# KiCad board main.kicad_pcb (continued)
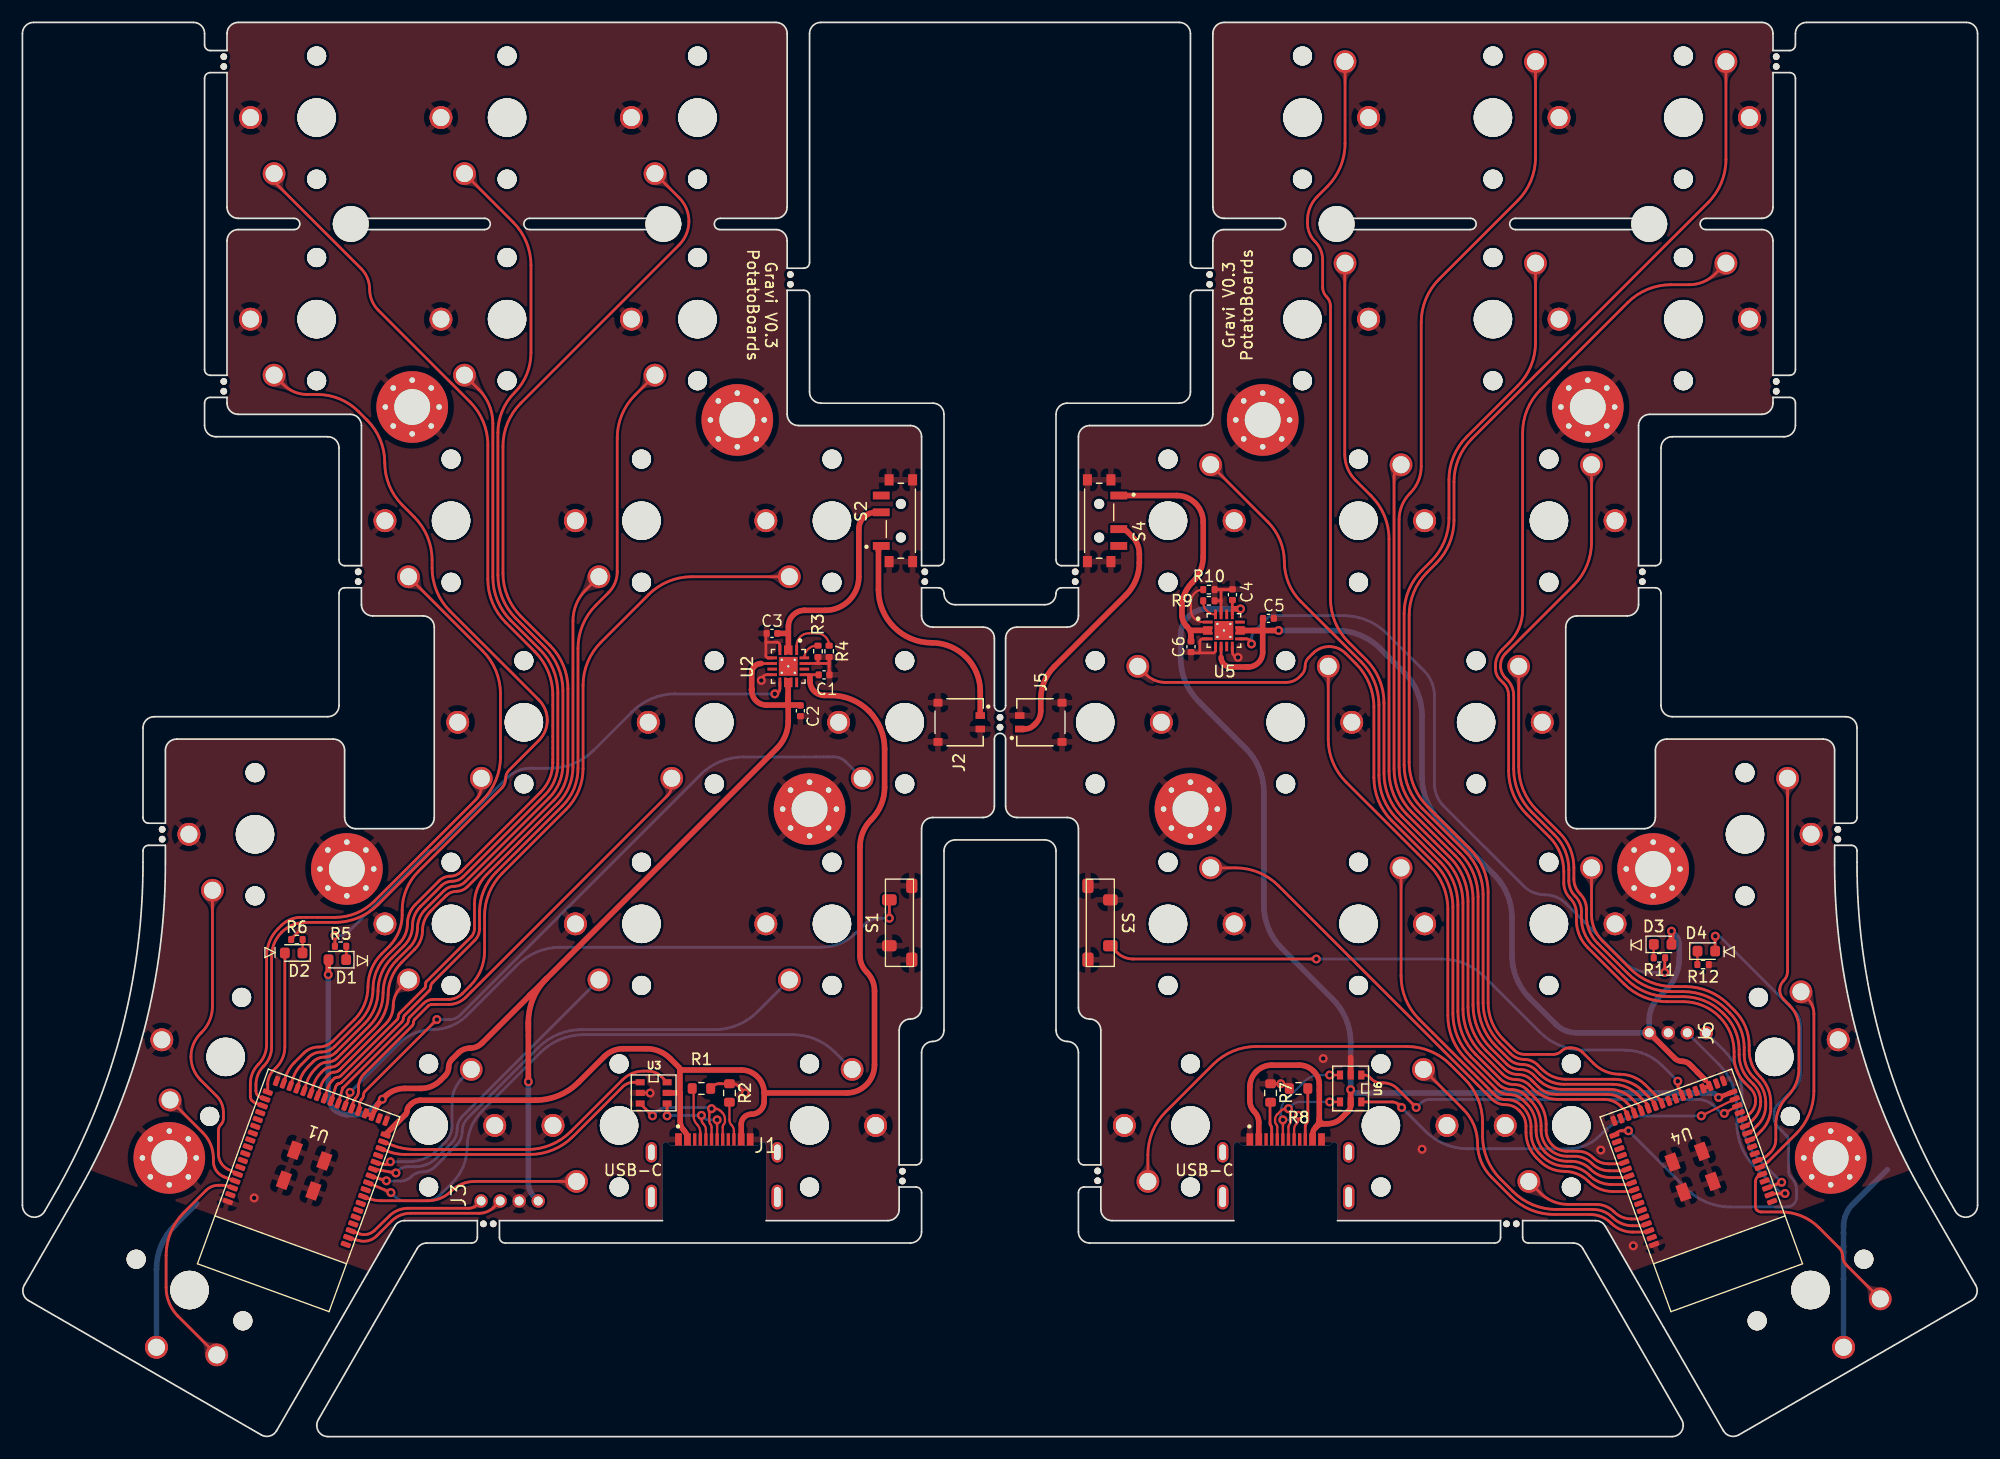
[diagram p0: board, top side]
## Copper pours and planes (outline as drawn; the poured copper is in the pictures) (continued)
VDDH on Top: 146.23,35.4 146.14,35.5 146.06,35.58 146.01,35.66 145.96,35.74 145.93,35.81 145.9,35.89 145.87,35.97 145.81,36.15 145.78,36.26 145,36.27 145.02,35.5 145.12,35.46 145.3,35.4 145.38,35.38 145.46,35.35 145.53,35.31 145.61,35.27 145.69,35.21 145.78,35.14 145.88,35.04
VDDH on Bottom: 144.96,37.25 144.96,37.12 144.95,37 144.93,36.91 144.91,36.82 144.88,36.74 144.85,36.67 144.81,36.59 144.72,36.43 144.67,36.32 145.21,35.76 145.75,36.32 145.7,36.43 145.61,36.59 145.57,36.67 145.54,36.74 145.51,36.82 145.49,36.91 145.48,37 145.47,37.12 145.46,37.25
VDDH on Bottom: 144.02,35.81 144.16,35.81 144.27,35.8 144.37,35.78 144.45,35.76 144.53,35.73 144.61,35.7 144.68,35.66 144.85,35.57 144.95,35.52 145.51,36.06 144.95,36.6 144.85,36.55 144.68,36.46 144.61,36.42 144.53,36.39 144.45,36.36 144.37,36.34 144.27,36.33 144.16,36.32 144.02,36.31
VDDH on Bottom: 45.07,21.89 45.13,21.75 45.3,21.35 45.33,21.27 45.37,21.18 45.4,21.09 45.43,20.98 45.47,20.86 46.25,20.82 46.26,21.6 46.16,21.64 46.07,21.66 45.99,21.69 45.91,21.71 45.83,21.74 45.77,21.77 45.7,21.82 45.64,21.89 45.59,21.97 45.53,22.08
K1 on Top: 118.19,120.76 118.2,121 118.24,121.2 118.29,121.36 118.37,121.5 118.45,121.62 118.55,121.74 118.66,121.86 118.76,121.99 118.87,122.15 118.98,122.34 118.06,123.3 117.15,122.34 117.25,122.15 117.36,121.99 117.47,121.86 117.57,121.74 117.67,121.62 117.76,121.5 117.83,121.36 117.89,121.2 117.92,121 117.94,120.76
K1 on Top: 57.98,111.44 57.82,111.62 57.71,111.79 57.64,111.94 57.59,112.09 57.56,112.24 57.55,112.39 57.54,112.55 57.52,112.72 57.48,112.91 57.42,113.12 56.1,113.15 56.13,111.83 56.34,111.77 56.53,111.73 56.7,111.71 56.86,111.7 57.01,111.69 57.16,111.66 57.31,111.61 57.46,111.54 57.63,111.43 57.81,111.27
K2 on Top: 55.12,93.27 55.3,93.43 55.46,93.54 55.62,93.61 55.77,93.66 55.91,93.69 56.07,93.7 56.23,93.71 56.4,93.73 56.59,93.77 56.8,93.83 56.82,95.15 55.5,95.12 55.44,94.91 55.41,94.72 55.39,94.55 55.37,94.39 55.36,94.24 55.34,94.09 55.29,93.94 55.22,93.79 55.1,93.62 54.94,93.44
K2 on Top: 118.16,102.75 118.17,102.99 118.21,103.18 118.27,103.35 118.34,103.48 118.43,103.61 118.53,103.72 118.63,103.84 118.74,103.98 118.86,104.13 118.97,104.32 118.08,105.3 117.14,104.37 117.24,104.17 117.34,104.01 117.45,103.87 117.55,103.74 117.65,103.62 117.73,103.5 117.81,103.36 117.86,103.19 117.9,102.99 117.91,102.75
K3 on Top: 66.44,76.66 66.68,76.65 66.87,76.61 67.04,76.56 67.17,76.48 67.3,76.4 67.41,76.3 67.53,76.19 67.67,76.09 67.83,75.98 68.02,75.87 68.97,76.79 68.02,77.7 67.83,77.6 67.67,77.49 67.53,77.38 67.41,77.28 67.3,77.18 67.17,77.09 67.04,77.02 66.87,76.96 66.68,76.93 66.44,76.91
K3 on Top: 107.58,85.44 107.42,85.62 107.31,85.79 107.24,85.94 107.19,86.09 107.16,86.24 107.15,86.39 107.14,86.55 107.12,86.72 107.08,86.91 107.02,87.12 105.7,87.15 105.73,85.83 105.94,85.77 106.13,85.73 106.3,85.71 106.46,85.7 106.61,85.69 106.76,85.66 106.91,85.61 107.06,85.54 107.23,85.43 107.41,85.27
K4 on Top: 101,67.47 100.79,67.5 100.65,67.58 100.57,67.69 100.54,67.85 100.53,68.03 100.55,68.23 100.57,68.45 100.59,68.67 100.57,68.9 100.52,69.12 99.2,69.15 99.56,67.77 99.75,67.76 99.9,67.71 100.03,67.65 100.14,67.58 100.25,67.5 100.36,67.42 100.48,67.34 100.62,67.28 100.79,67.24 101,67.22
K4 on Bottom: 73.44,60.13 73.6,59.95 73.72,59.79 73.79,59.63 73.84,59.48 73.86,59.34 73.87,59.18 73.89,59.02 73.91,58.85 73.94,58.66 74,58.45 75.32,58.43 75.3,59.75 75.09,59.81 74.9,59.84 74.73,59.86 74.57,59.88 74.41,59.89 74.27,59.91 74.12,59.96 73.96,60.03 73.8,60.15 73.62,60.31
K5 on Top: 108.09,50.91 107.85,50.93 107.65,50.96 107.49,51.02 107.35,51.09 107.23,51.18 107.11,51.28 106.99,51.38 106.86,51.49 106.7,51.6 106.51,51.7 105.55,50.79 106.51,49.87 106.7,49.98 106.86,50.09 106.99,50.19 107.11,50.3 107.23,50.4 107.35,50.48 107.49,50.56 107.65,50.61 107.85,50.65 108.09,50.66
K5 on Bottom: 67.12,39.27 67.3,39.43 67.46,39.54 67.62,39.61 67.77,39.66 67.91,39.69 68.07,39.7 68.23,39.71 68.4,39.73 68.59,39.77 68.8,39.83 68.82,41.15 67.5,41.12 67.44,40.91 67.41,40.72 67.39,40.55 67.37,40.39 67.36,40.24 67.34,40.09 67.29,39.94 67.22,39.79 67.1,39.62 66.94,39.44
K6 on Top: 100.34,24.81 100.32,24.57 100.29,24.38 100.23,24.21 100.16,24.08 100.07,23.95 99.97,23.84 99.87,23.72 99.76,23.58 99.65,23.42 99.55,23.23 100.46,22.28 101.38,23.23 101.27,23.42 101.16,23.58 101.06,23.72 100.95,23.84 100.85,23.95 100.77,24.08 100.69,24.21 100.64,24.38 100.6,24.57 100.59,24.81
K6 on Bottom: 72.54,34.13 72.7,33.95 72.82,33.79 72.89,33.63 72.94,33.48 72.96,33.34 72.97,33.18 72.99,33.02 73.01,32.85 73.04,32.66 73.1,32.45 74.42,32.43 74.4,33.75 74.19,33.81 74,33.84 73.83,33.86 73.67,33.88 73.51,33.89 73.37,33.91 73.22,33.96 73.06,34.03 72.9,34.15 72.72,34.31
K7 on Top: 40.98,111.44 40.82,111.62 40.71,111.79 40.64,111.94 40.59,112.09 40.56,112.24 40.55,112.39 40.54,112.55 40.52,112.72 40.48,112.91 40.42,113.12 39.1,113.15 39.13,111.83 39.34,111.77 39.53,111.73 39.7,111.71 39.86,111.7 40.01,111.69 40.16,111.66 40.31,111.61 40.46,111.54 40.63,111.43 40.81,111.27
K7 on Top: 135.19,120.76 135.2,121 135.24,121.2 135.29,121.36 135.37,121.5 135.45,121.62 135.55,121.74 135.66,121.86 135.76,121.99 135.87,122.15 135.98,122.34 135.06,123.3 134.15,122.34 134.25,122.15 134.36,121.99 134.47,121.86 134.57,121.74 134.67,121.62 134.76,121.5 134.83,121.36 134.89,121.2 134.92,121 134.94,120.76
K8 on Top: 41.46,92.79 41.28,93.09 41.13,93.35 41.01,93.57 40.92,93.77 40.83,93.96 40.76,94.15 40.68,94.35 40.61,94.57 40.52,94.83 40.42,95.12 39.1,95.15 39.13,93.83 39.42,93.74 39.68,93.67 39.91,93.62 40.13,93.56 40.33,93.5 40.52,93.42 40.7,93.3 40.88,93.14 41.06,92.93 41.25,92.66
K8 on Top: 135.19,102.76 135.2,103 135.24,103.2 135.29,103.36 135.37,103.5 135.45,103.62 135.55,103.74 135.66,103.86 135.76,103.99 135.87,104.15 135.98,104.34 135.06,105.3 134.15,104.34 134.25,104.15 134.36,103.99 134.47,103.86 134.57,103.74 134.67,103.62 134.76,103.5 134.83,103.36 134.89,103.2 134.92,103 134.94,102.76
K9 on Top: 122.56,84.93 122.58,85.13 122.62,85.29 122.69,85.41 122.79,85.5 122.9,85.58 123.03,85.65 123.32,85.77 123.48,85.85 123.64,85.95 123.31,87.23 122.05,86.79 122.05,86.56 122.07,86.37 122.1,86.2 122.14,86.05 122.18,85.9 122.22,85.75 122.25,85.59 122.28,85.4 122.3,85.19 122.31,84.93
K9 on Top: 49.79,74.76 49.96,75.02 50.13,75.22 50.3,75.36 50.47,75.47 50.65,75.54 50.85,75.59 51.05,75.64 51.28,75.68 51.52,75.74 51.8,75.83 51.82,77.15 50.5,77.12 50.41,76.84 50.33,76.6 50.26,76.39 50.2,76.2 50.14,76.02 50.06,75.83 49.98,75.64 49.87,75.42 49.74,75.18 49.58,74.89
K10 on Top: 57.38,56.86 57.56,57.03 57.71,57.18 57.84,57.3 57.95,57.4 58.17,57.59 58.27,57.68 58.39,57.79 58.53,57.92 58.68,58.07 58.04,59.29 56.99,58.49 57.06,58.31 57.14,58.15 57.22,58 57.3,57.86 57.36,57.73 57.41,57.6 57.43,57.47 57.4,57.33 57.33,57.19 57.21,57.04
K10 on Top: 116.69,66.76 116.7,67 116.74,67.2 116.79,67.36 116.87,67.5 116.95,67.62 117.05,67.74 117.16,67.86 117.26,67.99 117.37,68.15 117.48,68.34 116.56,69.3 115.65,68.34 115.75,68.15 115.86,67.99 115.97,67.86 116.07,67.74 116.17,67.62 116.26,67.5 116.33,67.36 116.39,67.2 116.42,67 116.44,66.76
K11 on Top: 123.19,48.76 123.2,49 123.24,49.2 123.29,49.36 123.37,49.5 123.45,49.62 123.55,49.74 123.66,49.86 123.76,49.99 123.87,50.15 123.98,50.34 123.06,51.3 122.15,50.34 122.25,50.15 122.36,49.99 122.47,49.86 122.57,49.74 122.67,49.62 122.76,49.5 122.83,49.36 122.89,49.2 122.92,49 122.94,48.76
K11 on Bottom: 50.12,39.27 50.3,39.43 50.46,39.54 50.62,39.61 50.77,39.66 50.91,39.69 51.07,39.7 51.23,39.71 51.4,39.73 51.59,39.77 51.8,39.83 51.82,41.15 50.5,41.12 50.44,40.91 50.41,40.72 50.39,40.55 50.37,40.39 50.36,40.24 50.34,40.09 50.29,39.94 50.22,39.79 50.1,39.62 49.94,39.44
K12 on Top: 47.44,22.66 47.68,22.65 47.87,22.61 48.04,22.56 48.17,22.48 48.3,22.4 48.41,22.3 48.53,22.19 48.67,22.09 48.83,21.98 49.02,21.87 49.97,22.79 49.02,23.7 48.83,23.6 48.67,23.49 48.53,23.38 48.41,23.28 48.3,23.18 48.17,23.09 48.04,23.02 47.87,22.96 47.68,22.93 47.44,22.91
K12 on Top: 126.58,31.44 126.42,31.62 126.31,31.79 126.24,31.94 126.19,32.09 126.16,32.24 126.15,32.39 126.14,32.55 126.12,32.72 126.08,32.91 126.02,33.12 124.7,33.15 124.73,31.83 124.94,31.77 125.13,31.73 125.3,31.71 125.46,31.7 125.61,31.69 125.76,31.66 125.91,31.61 126.06,31.54 126.23,31.43 126.41,31.27
K13 on Top: 152.19,120.76 152.2,121 152.24,121.2 152.29,121.36 152.37,121.5 152.45,121.62 152.55,121.74 152.66,121.86 152.76,121.99 152.87,122.15 152.98,122.34 152.06,123.3 151.15,122.34 151.25,122.15 151.36,121.99 151.47,121.86 151.57,121.74 151.67,121.62 151.76,121.5 151.83,121.36 151.89,121.2 151.92,121 151.94,120.76
K13 on Top: 23.54,111.17 23.41,111.32 23.33,111.46 23.28,111.59 23.26,111.72 23.27,111.84 23.29,111.98 23.33,112.12 23.38,112.26 23.42,112.43 23.46,112.6 22.33,113.28 21.74,112.07 21.92,111.91 22.08,111.79 22.23,111.7 22.38,111.63 22.53,111.56 22.67,111.5 22.83,111.42 22.99,111.31 23.17,111.18 23.37,111
K14 on Top: 150.34,103.12 150.61,103.25 150.84,103.35 151.04,103.43 151.22,103.49 151.39,103.54 151.56,103.58 151.73,103.63 151.93,103.68 152.14,103.74 152.4,103.83 152.42,105.15 151.1,105.12 151.03,104.88 150.99,104.66 150.95,104.46 150.92,104.27 150.89,104.09 150.83,103.92 150.75,103.77 150.63,103.62 150.46,103.48 150.23,103.34
K14 on Top: 24.21,93.46 23.99,93.58 23.83,93.71 23.72,93.84 23.65,93.99 23.6,94.15 23.57,94.32 23.55,94.5 23.53,94.69 23.49,94.9 23.42,95.12 22.1,95.15 22.13,93.83 22.37,93.75 22.58,93.69 22.76,93.65 23.09,93.58 23.25,93.54 23.43,93.5 23.62,93.43 23.84,93.35 24.1,93.23
K15 on Top: 140.19,84.76 140.2,85 140.24,85.2 140.29,85.36 140.37,85.5 140.45,85.62 140.55,85.74 140.66,85.86 140.76,85.99 140.87,86.15 140.98,86.34 140.06,87.3 139.15,86.34 139.25,86.15 139.36,85.99 139.47,85.86 139.57,85.74 139.67,85.62 139.76,85.5 139.83,85.36 139.89,85.2 139.92,85 139.94,84.76
K15 on Top: 35.98,75.44 35.82,75.62 35.71,75.79 35.64,75.94 35.59,76.09 35.56,76.24 35.55,76.39 35.54,76.55 35.52,76.72 35.48,76.91 35.42,77.12 34.1,77.15 34.13,75.83 34.34,75.77 34.53,75.73 34.7,75.71 34.86,75.7 35.01,75.69 35.16,75.66 35.31,75.61 35.46,75.54 35.63,75.43 35.81,75.27
K16 on Top: 133.69,66.76 133.7,67 133.74,67.2 133.79,67.36 133.87,67.5 133.95,67.62 134.05,67.74 134.16,67.86 134.26,67.99 134.37,68.15 134.48,68.34 133.56,69.3 132.65,68.34 132.75,68.15 132.86,67.99 132.97,67.86 133.07,67.74 133.17,67.62 133.26,67.5 133.33,67.36 133.39,67.2 133.42,67 133.44,66.76
K16 on Top: 40.56,56.78 40.72,56.95 40.86,57.1 40.97,57.23 41.06,57.34 41.23,57.56 41.32,57.67 41.42,57.79 41.54,57.92 41.69,58.08 41.01,59.29 40.01,58.43 40.09,58.25 40.19,58.09 40.3,57.94 40.4,57.79 40.48,57.66 40.55,57.53 40.58,57.39 40.57,57.26 40.51,57.11 40.38,56.96
K17 on Top: 33.34,39.17 33.42,39.36 33.52,39.5 33.64,39.6 33.77,39.66 33.92,39.69 34.07,39.71 34.24,39.73 34.42,39.74 34.61,39.77 34.8,39.83 34.82,41.15 33.5,41.11 33.43,40.89 33.38,40.7 33.35,40.53 33.33,40.37 33.31,40.22 33.29,40.06 33.27,39.9 33.23,39.71 33.18,39.5 33.1,39.25
K17 on Top: 140.19,48.76 140.2,49 140.24,49.2 140.29,49.36 140.37,49.5 140.45,49.62 140.55,49.74 140.66,49.86 140.76,49.99 140.87,50.15 140.98,50.34 140.06,51.3 139.15,50.34 139.25,50.15 139.36,49.99 139.47,49.86 139.57,49.74 139.67,49.62 139.76,49.5 139.83,49.36 139.89,49.2 139.92,49 139.94,48.76
K18 on Top: 136.36,21.27 136.12,21.42 135.94,21.57 135.81,21.72 135.72,21.88 135.66,22.05 135.62,22.24 135.55,22.64 135.5,22.87 135.42,23.12 134.1,23.15 134.13,21.83 134.39,21.74 134.62,21.67 134.81,21.62 134.99,21.57 135.17,21.52 135.34,21.46 135.53,21.39 135.73,21.3 135.97,21.19 136.24,21.05
K18 on Bottom: 38.74,31.05 38.86,31.27 38.99,31.42 39.12,31.53 39.27,31.61 39.43,31.65 39.59,31.68 39.77,31.7 39.97,31.72 40.17,31.76 40.4,31.83 40.42,33.15 39.1,33.12 39.03,32.88 38.97,32.68 38.93,32.49 38.89,32.33 38.86,32.17 38.82,32 38.78,31.83 38.71,31.64 38.63,31.41 38.51,31.16
K19 on Top: 157.69,56.76 157.7,57 157.74,57.2 157.79,57.36 157.87,57.5 157.95,57.62 158.05,57.74 158.16,57.86 158.26,57.99 158.37,58.15 158.48,58.34 157.56,59.3 156.65,58.34 156.75,58.15 156.86,57.99 156.97,57.86 157.07,57.74 157.17,57.62 157.26,57.5 157.33,57.36 157.39,57.2 157.42,57 157.44,56.76
K19 on Top: 17.09,46.76 17.1,47 17.14,47.2 17.19,47.36 17.27,47.5 17.35,47.62 17.45,47.74 17.56,47.86 17.66,47.99 17.77,48.15 17.88,48.34 16.96,49.3 16.05,48.34 16.15,48.15 16.26,47.99 16.37,47.86 16.47,47.74 16.57,47.62 16.66,47.5 16.73,47.36 16.79,47.2 16.82,47 16.84,46.76
K20 on Top: 160.01,38.09 159.97,38.34 159.94,38.54 159.92,38.72 159.9,38.88 159.86,39.17 159.84,39.32 159.82,39.48 159.8,39.67 159.76,39.89 158.42,40.1 158.38,38.78 158.57,38.72 158.75,38.68 158.93,38.65 159.11,38.63 159.26,38.61 159.4,38.57 159.53,38.5 159.63,38.4 159.71,38.25 159.76,38.05
K20 on Top: 14.7,28.72 14.54,28.9 14.43,29.06 14.35,29.22 14.31,29.36 14.28,29.51 14.27,29.66 14.25,29.82 14.23,30 14.2,30.18 14.14,30.39 12.82,30.42 12.84,29.1 13.05,29.04 13.24,29 13.42,28.99 13.57,28.97 13.73,28.96 13.87,28.93 14.02,28.89 14.18,28.81 14.34,28.7 14.52,28.54
K21 on Top: 15.83,8.64 15.99,8.46 16.1,8.3 16.17,8.14 16.22,7.99 16.24,7.85 16.26,7.69 16.27,7.54 16.29,7.36 16.33,7.17 16.39,6.96 17.71,6.94 17.68,8.26 17.47,8.32 17.28,8.35 17.11,8.37 16.95,8.39 16.8,8.4 16.65,8.43 16.5,8.47 16.35,8.54 16.18,8.66 16,8.82
K21 on Top: 164.32,13.64 164.48,13.46 164.59,13.3 164.67,13.14 164.71,12.99 164.74,12.85 164.75,12.69 164.76,12.54 164.78,12.36 164.82,12.17 164.88,11.96 166.2,11.94 166.17,13.26 165.96,13.32 165.77,13.35 165.6,13.37 165.44,13.39 165.29,13.4 165.14,13.43 164.99,13.47 164.84,13.54 164.67,13.66 164.49,13.82
SWCLK on Top: 41.67,20.03 41.82,20.11 41.96,20.17 42.07,20.22 42.17,20.26 42.27,20.29 42.37,20.32 42.57,20.39 42.7,20.43 42.84,20.48 42.86,21.25 42.08,21.24 42.04,21.11 42.01,20.98 41.97,20.77 41.94,20.67 41.91,20.58 41.86,20.49 41.79,20.41 41.69,20.33 41.55,20.25
SWCLK on Bottom: 149.54,35.31 149.45,35.41 149.38,35.51 149.33,35.59 149.3,35.68 149.28,35.76 149.27,35.85 149.25,35.94 149.24,36.03 149.22,36.14 149.18,36.26 148.4,36.27 148.42,35.5 148.53,35.46 148.64,35.44 148.74,35.42 148.83,35.41 148.91,35.39 149,35.37 149.08,35.34 149.17,35.29 149.26,35.23 149.37,35.13
SWIO on Top: 39.97,20.27 40.11,20.29 40.24,20.31 40.34,20.33 40.43,20.35 40.68,20.4 40.78,20.41 40.88,20.43 41.01,20.45 41.17,21.24 40.39,21.28 40.36,21.17 40.33,21.07 40.3,20.87 40.28,20.79 40.25,20.71 40.2,20.64 40.14,20.59 40.06,20.55 39.94,20.52
SWIO on Bottom: 151.24,35.31 151.15,35.41 151.08,35.51 151.03,35.59 151,35.68 150.98,35.76 150.97,35.85 150.95,35.94 150.94,36.03 150.92,36.14 150.88,36.26 150.1,36.27 150.12,35.5 150.23,35.46 150.34,35.44 150.44,35.42 150.53,35.41 150.61,35.39 150.7,35.37 150.78,35.34 150.87,35.29 150.96,35.23 151.07,35.13

Small or netless copper shapes (teardrops, artwork), in the pictures only: 42 on Top, 42 on Bottom

## Text on the board
B.Fab: CC1 | CC2
F.Fab: CC1 | CC2
F.Silkscreen: Gravi V0.3 / PotatoBoards
